# Allegro board LED_FIN.brd (continued)
## Nets (continued)
COL_OUT_A19: D3431.1(CATHODE) D3461.1(CATHODE) D3491.1(CATHODE) D3521.1(CATHODE) D3551.1(CATHODE) D3581.1(CATHODE) D3611.1(CATHODE) D3641.1(CATHODE) D3671.1(CATHODE) D3701.1(CATHODE) D3731.1(CATHODE) D3761.1(CATHODE) D3791.1(CATHODE) D3821.1(CATHODE) D3851.1(CATHODE) D3881.1(CATHODE) D3911.1(CATHODE) D3941.1(CATHODE) D3971.1(CATHODE) D4001.1(CATHODE) D4031.1(CATHODE) D4061.1(CATHODE) D4091.1(CATHODE) D4121.1(CATHODE) D4151.1(CATHODE) D4181.1(CATHODE) D4211.1(CATHODE) D4241.1(CATHODE) D4271.1(CATHODE) D4301.1(CATHODE) D4331.1(CATHODE) D4361.1(CATHODE) D4391.1(CATHODE) D4421.1(CATHODE) D4451.1(CATHODE) D4481.1(CATHODE) D4511.1(CATHODE) D4541.1(CATHODE) R101.1
COL_OUT_A20: D3430.1(CATHODE) D3460.1(CATHODE) D3490.1(CATHODE) D3520.1(CATHODE) D3550.1(CATHODE) D3580.1(CATHODE) D3610.1(CATHODE) D3640.1(CATHODE) D3670.1(CATHODE) D3700.1(CATHODE) D3730.1(CATHODE) D3760.1(CATHODE) D3790.1(CATHODE) D3820.1(CATHODE) D3850.1(CATHODE) D3880.1(CATHODE) D3910.1(CATHODE) D3940.1(CATHODE) D3970.1(CATHODE) D4000.1(CATHODE) D4030.1(CATHODE) D4060.1(CATHODE) D4090.1(CATHODE) D4120.1(CATHODE) D4150.1(CATHODE) D4180.1(CATHODE) D4210.1(CATHODE) D4240.1(CATHODE) D4270.1(CATHODE) D4300.1(CATHODE) D4330.1(CATHODE) D4360.1(CATHODE) D4390.1(CATHODE) D4420.1(CATHODE) D4450.1(CATHODE) D4480.1(CATHODE) D4510.1(CATHODE) D4540.1(CATHODE) R100.1
COL_OUT_A21: D3429.1(CATHODE) D3459.1(CATHODE) D3489.1(CATHODE) D3519.1(CATHODE) D3549.1(CATHODE) D3579.1(CATHODE) D3609.1(CATHODE) D3639.1(CATHODE) D3669.1(CATHODE) D3699.1(CATHODE) D3729.1(CATHODE) D3759.1(CATHODE) D3789.1(CATHODE) D3819.1(CATHODE) D3849.1(CATHODE) D3879.1(CATHODE) D3909.1(CATHODE) D3939.1(CATHODE) D3969.1(CATHODE) D3999.1(CATHODE) D4029.1(CATHODE) D4059.1(CATHODE) D4089.1(CATHODE) D4119.1(CATHODE) D4149.1(CATHODE) D4179.1(CATHODE) D4209.1(CATHODE) D4239.1(CATHODE) D4269.1(CATHODE) D4299.1(CATHODE) D4329.1(CATHODE) D4359.1(CATHODE) D4389.1(CATHODE) D4419.1(CATHODE) D4449.1(CATHODE) D4479.1(CATHODE) D4509.1(CATHODE) D4539.1(CATHODE) R99.1
COL_OUT_A22: D3428.1(CATHODE) D3458.1(CATHODE) D3488.1(CATHODE) D3518.1(CATHODE) D3548.1(CATHODE) D3578.1(CATHODE) D3608.1(CATHODE) D3638.1(CATHODE) D3668.1(CATHODE) D3698.1(CATHODE) D3728.1(CATHODE) D3758.1(CATHODE) D3788.1(CATHODE) D3818.1(CATHODE) D3848.1(CATHODE) D3878.1(CATHODE) D3908.1(CATHODE) D3938.1(CATHODE) D3968.1(CATHODE) D3998.1(CATHODE) D4028.1(CATHODE) D4058.1(CATHODE) D4088.1(CATHODE) D4118.1(CATHODE) D4148.1(CATHODE) D4178.1(CATHODE) D4208.1(CATHODE) D4238.1(CATHODE) D4268.1(CATHODE) D4298.1(CATHODE) D4328.1(CATHODE) D4358.1(CATHODE) D4388.1(CATHODE) D4418.1(CATHODE) D4448.1(CATHODE) D4478.1(CATHODE) D4508.1(CATHODE) D4538.1(CATHODE) R98.1
COL_OUT_A23: D3427.1(CATHODE) D3457.1(CATHODE) D3487.1(CATHODE) D3517.1(CATHODE) D3547.1(CATHODE) D3577.1(CATHODE) D3607.1(CATHODE) D3637.1(CATHODE) D3667.1(CATHODE) D3697.1(CATHODE) D3727.1(CATHODE) D3757.1(CATHODE) D3787.1(CATHODE) D3817.1(CATHODE) D3847.1(CATHODE) D3877.1(CATHODE) D3907.1(CATHODE) D3937.1(CATHODE) D3967.1(CATHODE) D3997.1(CATHODE) D4027.1(CATHODE) D4057.1(CATHODE) D4087.1(CATHODE) D4117.1(CATHODE) D4147.1(CATHODE) D4177.1(CATHODE) D4207.1(CATHODE) D4237.1(CATHODE) D4267.1(CATHODE) D4297.1(CATHODE) D4327.1(CATHODE) D4357.1(CATHODE) D4387.1(CATHODE) D4417.1(CATHODE) D4447.1(CATHODE) D4477.1(CATHODE) D4507.1(CATHODE) D4537.1(CATHODE) R97.1
COL_OUT_A24: D3426.1(CATHODE) D3456.1(CATHODE) D3486.1(CATHODE) D3516.1(CATHODE) D3546.1(CATHODE) D3576.1(CATHODE) D3606.1(CATHODE) D3636.1(CATHODE) D3666.1(CATHODE) D3696.1(CATHODE) D3726.1(CATHODE) D3756.1(CATHODE) D3786.1(CATHODE) D3816.1(CATHODE) D3846.1(CATHODE) D3876.1(CATHODE) D3906.1(CATHODE) D3936.1(CATHODE) D3966.1(CATHODE) D3996.1(CATHODE) D4026.1(CATHODE) D4056.1(CATHODE) D4086.1(CATHODE) D4116.1(CATHODE) D4146.1(CATHODE) D4176.1(CATHODE) D4206.1(CATHODE) D4236.1(CATHODE) D4266.1(CATHODE) D4296.1(CATHODE) D4326.1(CATHODE) D4356.1(CATHODE) D4386.1(CATHODE) D4416.1(CATHODE) D4446.1(CATHODE) D4476.1(CATHODE) D4506.1(CATHODE) D4536.1(CATHODE) R96.1
COL_OUT_A25: D3425.1(CATHODE) D3455.1(CATHODE) D3485.1(CATHODE) D3515.1(CATHODE) D3545.1(CATHODE) D3575.1(CATHODE) D3605.1(CATHODE) D3635.1(CATHODE) D3665.1(CATHODE) D3695.1(CATHODE) D3725.1(CATHODE) D3755.1(CATHODE) D3785.1(CATHODE) D3815.1(CATHODE) D3845.1(CATHODE) D3875.1(CATHODE) D3905.1(CATHODE) D3935.1(CATHODE) D3965.1(CATHODE) D3995.1(CATHODE) D4025.1(CATHODE) D4055.1(CATHODE) D4085.1(CATHODE) D4115.1(CATHODE) D4145.1(CATHODE) D4175.1(CATHODE) D4205.1(CATHODE) D4235.1(CATHODE) D4265.1(CATHODE) D4295.1(CATHODE) D4325.1(CATHODE) D4355.1(CATHODE) D4385.1(CATHODE) D4415.1(CATHODE) D4445.1(CATHODE) D4475.1(CATHODE) D4505.1(CATHODE) D4535.1(CATHODE) R95.1
COL_OUT_A26: D3424.1(CATHODE) D3454.1(CATHODE) D3484.1(CATHODE) D3514.1(CATHODE) D3544.1(CATHODE) D3574.1(CATHODE) D3604.1(CATHODE) D3634.1(CATHODE) D3664.1(CATHODE) D3694.1(CATHODE) D3724.1(CATHODE) D3754.1(CATHODE) D3784.1(CATHODE) D3814.1(CATHODE) D3844.1(CATHODE) D3874.1(CATHODE) D3904.1(CATHODE) D3934.1(CATHODE) D3964.1(CATHODE) D3994.1(CATHODE) D4024.1(CATHODE) D4054.1(CATHODE) D4084.1(CATHODE) D4114.1(CATHODE) D4144.1(CATHODE) D4174.1(CATHODE) D4204.1(CATHODE) D4234.1(CATHODE) D4264.1(CATHODE) D4294.1(CATHODE) D4324.1(CATHODE) D4354.1(CATHODE) D4384.1(CATHODE) D4414.1(CATHODE) D4444.1(CATHODE) D4474.1(CATHODE) D4504.1(CATHODE) D4534.1(CATHODE) R94.1
COL_OUT_A27: D3423.1(CATHODE) D3453.1(CATHODE) D3483.1(CATHODE) D3513.1(CATHODE) D3543.1(CATHODE) D3573.1(CATHODE) D3603.1(CATHODE) D3633.1(CATHODE) D3663.1(CATHODE) D3693.1(CATHODE) D3723.1(CATHODE) D3753.1(CATHODE) D3783.1(CATHODE) D3813.1(CATHODE) D3843.1(CATHODE) D3873.1(CATHODE) D3903.1(CATHODE) D3933.1(CATHODE) D3963.1(CATHODE) D3993.1(CATHODE) D4023.1(CATHODE) D4053.1(CATHODE) D4083.1(CATHODE) D4113.1(CATHODE) D4143.1(CATHODE) D4173.1(CATHODE) D4203.1(CATHODE) D4233.1(CATHODE) D4263.1(CATHODE) D4293.1(CATHODE) D4323.1(CATHODE) D4353.1(CATHODE) D4383.1(CATHODE) D4413.1(CATHODE) D4443.1(CATHODE) D4473.1(CATHODE) D4503.1(CATHODE) D4533.1(CATHODE) R93.1
COL_OUT_A28: D3422.1(CATHODE) D3452.1(CATHODE) D3482.1(CATHODE) D3512.1(CATHODE) D3542.1(CATHODE) D3572.1(CATHODE) D3602.1(CATHODE) D3632.1(CATHODE) D3662.1(CATHODE) D3692.1(CATHODE) D3722.1(CATHODE) D3752.1(CATHODE) D3782.1(CATHODE) D3812.1(CATHODE) D3842.1(CATHODE) D3872.1(CATHODE) D3902.1(CATHODE) D3932.1(CATHODE) D3962.1(CATHODE) D3992.1(CATHODE) D4022.1(CATHODE) D4052.1(CATHODE) D4082.1(CATHODE) D4112.1(CATHODE) D4142.1(CATHODE) D4172.1(CATHODE) D4202.1(CATHODE) D4232.1(CATHODE) D4262.1(CATHODE) D4292.1(CATHODE) D4322.1(CATHODE) D4352.1(CATHODE) D4382.1(CATHODE) D4412.1(CATHODE) D4442.1(CATHODE) D4472.1(CATHODE) D4502.1(CATHODE) D4532.1(CATHODE) R92.1
COL_OUT_A29: D3421.1(CATHODE) D3451.1(CATHODE) D3481.1(CATHODE) D3511.1(CATHODE) D3541.1(CATHODE) D3571.1(CATHODE) D3601.1(CATHODE) D3631.1(CATHODE) D3661.1(CATHODE) D3691.1(CATHODE) D3721.1(CATHODE) D3751.1(CATHODE) D3781.1(CATHODE) D3811.1(CATHODE) D3841.1(CATHODE) D3871.1(CATHODE) D3901.1(CATHODE) D3931.1(CATHODE) D3961.1(CATHODE) D3991.1(CATHODE) D4021.1(CATHODE) D4051.1(CATHODE) D4081.1(CATHODE) D4111.1(CATHODE) D4141.1(CATHODE) D4171.1(CATHODE) D4201.1(CATHODE) D4231.1(CATHODE) D4261.1(CATHODE) D4291.1(CATHODE) D4321.1(CATHODE) D4351.1(CATHODE) D4381.1(CATHODE) D4411.1(CATHODE) D4441.1(CATHODE) D4471.1(CATHODE) D4501.1(CATHODE) D4531.1(CATHODE) R91.1
COL_OUT_A30: D2310.1(CATHODE) D2340.1(CATHODE) D2370.1(CATHODE) D2400.1(CATHODE) D2430.1(CATHODE) D2460.1(CATHODE) D2490.1(CATHODE) D2520.1(CATHODE) D2550.1(CATHODE) D2580.1(CATHODE) D2610.1(CATHODE) D2640.1(CATHODE) D2670.1(CATHODE) D2700.1(CATHODE) D2730.1(CATHODE) D2760.1(CATHODE) D2790.1(CATHODE) D2820.1(CATHODE) D2850.1(CATHODE) D2880.1(CATHODE) D2910.1(CATHODE) D2940.1(CATHODE) D2970.1(CATHODE) D3000.1(CATHODE) D3030.1(CATHODE) D3060.1(CATHODE) D3090.1(CATHODE) D3120.1(CATHODE) D3150.1(CATHODE) D3180.1(CATHODE) D3210.1(CATHODE) D3240.1(CATHODE) D3270.1(CATHODE) D3300.1(CATHODE) D3330.1(CATHODE) D3360.1(CATHODE) D3390.1(CATHODE) D3420.1(CATHODE) R90.1
COL_OUT_A31: D2309.1(CATHODE) D2339.1(CATHODE) D2369.1(CATHODE) D2399.1(CATHODE) D2429.1(CATHODE) D2459.1(CATHODE) D2489.1(CATHODE) D2519.1(CATHODE) D2549.1(CATHODE) D2579.1(CATHODE) D2609.1(CATHODE) D2639.1(CATHODE) D2669.1(CATHODE) D2699.1(CATHODE) D2729.1(CATHODE) D2759.1(CATHODE) D2789.1(CATHODE) D2819.1(CATHODE) D2849.1(CATHODE) D2879.1(CATHODE) D2909.1(CATHODE) D2939.1(CATHODE) D2969.1(CATHODE) D2999.1(CATHODE) D3029.1(CATHODE) D3059.1(CATHODE) D3089.1(CATHODE) D3119.1(CATHODE) D3149.1(CATHODE) D3179.1(CATHODE) D3209.1(CATHODE) D3239.1(CATHODE) D3269.1(CATHODE) D3299.1(CATHODE) D3329.1(CATHODE) D3359.1(CATHODE) D3389.1(CATHODE) D3419.1(CATHODE) R89.1
COL_OUT_A32: D2308.1(CATHODE) D2338.1(CATHODE) D2368.1(CATHODE) D2398.1(CATHODE) D2428.1(CATHODE) D2458.1(CATHODE) D2488.1(CATHODE) D2518.1(CATHODE) D2548.1(CATHODE) D2578.1(CATHODE) D2608.1(CATHODE) D2638.1(CATHODE) D2668.1(CATHODE) D2698.1(CATHODE) D2728.1(CATHODE) D2758.1(CATHODE) D2788.1(CATHODE) D2818.1(CATHODE) D2848.1(CATHODE) D2878.1(CATHODE) D2908.1(CATHODE) D2938.1(CATHODE) D2968.1(CATHODE) D2998.1(CATHODE) D3028.1(CATHODE) D3058.1(CATHODE) D3088.1(CATHODE) D3118.1(CATHODE) D3148.1(CATHODE) D3178.1(CATHODE) D3208.1(CATHODE) D3238.1(CATHODE) D3268.1(CATHODE) D3298.1(CATHODE) D3328.1(CATHODE) D3358.1(CATHODE) D3388.1(CATHODE) D3418.1(CATHODE) R88.1
COL_OUT_A33: D2307.1(CATHODE) D2337.1(CATHODE) D2367.1(CATHODE) D2397.1(CATHODE) D2427.1(CATHODE) D2457.1(CATHODE) D2487.1(CATHODE) D2517.1(CATHODE) D2547.1(CATHODE) D2577.1(CATHODE) D2607.1(CATHODE) D2637.1(CATHODE) D2667.1(CATHODE) D2697.1(CATHODE) D2727.1(CATHODE) D2757.1(CATHODE) D2787.1(CATHODE) D2817.1(CATHODE) D2847.1(CATHODE) D2877.1(CATHODE) D2907.1(CATHODE) D2937.1(CATHODE) D2967.1(CATHODE) D2997.1(CATHODE) D3027.1(CATHODE) D3057.1(CATHODE) D3087.1(CATHODE) D3117.1(CATHODE) D3147.1(CATHODE) D3177.1(CATHODE) D3207.1(CATHODE) D3237.1(CATHODE) D3267.1(CATHODE) D3297.1(CATHODE) D3327.1(CATHODE) D3357.1(CATHODE) D3387.1(CATHODE) D3417.1(CATHODE) R87.1
COL_OUT_A34: D2306.1(CATHODE) D2336.1(CATHODE) D2366.1(CATHODE) D2396.1(CATHODE) D2426.1(CATHODE) D2456.1(CATHODE) D2486.1(CATHODE) D2516.1(CATHODE) D2546.1(CATHODE) D2576.1(CATHODE) D2606.1(CATHODE) D2636.1(CATHODE) D2666.1(CATHODE) D2696.1(CATHODE) D2726.1(CATHODE) D2756.1(CATHODE) D2786.1(CATHODE) D2816.1(CATHODE) D2846.1(CATHODE) D2876.1(CATHODE) D2906.1(CATHODE) D2936.1(CATHODE) D2966.1(CATHODE) D2996.1(CATHODE) D3026.1(CATHODE) D3056.1(CATHODE) D3086.1(CATHODE) D3116.1(CATHODE) D3146.1(CATHODE) D3176.1(CATHODE) D3206.1(CATHODE) D3236.1(CATHODE) D3266.1(CATHODE) D3296.1(CATHODE) D3326.1(CATHODE) D3356.1(CATHODE) D3386.1(CATHODE) D3416.1(CATHODE) R86.1
COL_OUT_A35: D2305.1(CATHODE) D2335.1(CATHODE) D2365.1(CATHODE) D2395.1(CATHODE) D2425.1(CATHODE) D2455.1(CATHODE) D2485.1(CATHODE) D2515.1(CATHODE) D2545.1(CATHODE) D2575.1(CATHODE) D2605.1(CATHODE) D2635.1(CATHODE) D2665.1(CATHODE) D2695.1(CATHODE) D2725.1(CATHODE) D2755.1(CATHODE) D2785.1(CATHODE) D2815.1(CATHODE) D2845.1(CATHODE) D2875.1(CATHODE) D2905.1(CATHODE) D2935.1(CATHODE) D2965.1(CATHODE) D2995.1(CATHODE) D3025.1(CATHODE) D3055.1(CATHODE) D3085.1(CATHODE) D3115.1(CATHODE) D3145.1(CATHODE) D3175.1(CATHODE) D3205.1(CATHODE) D3235.1(CATHODE) D3265.1(CATHODE) D3295.1(CATHODE) D3325.1(CATHODE) D3355.1(CATHODE) D3385.1(CATHODE) D3415.1(CATHODE) R85.1
COL_OUT_A36: D2304.1(CATHODE) D2334.1(CATHODE) D2364.1(CATHODE) D2394.1(CATHODE) D2424.1(CATHODE) D2454.1(CATHODE) D2484.1(CATHODE) D2514.1(CATHODE) D2544.1(CATHODE) D2574.1(CATHODE) D2604.1(CATHODE) D2634.1(CATHODE) D2664.1(CATHODE) D2694.1(CATHODE) D2724.1(CATHODE) D2754.1(CATHODE) D2784.1(CATHODE) D2814.1(CATHODE) D2844.1(CATHODE) D2874.1(CATHODE) D2904.1(CATHODE) D2934.1(CATHODE) D2964.1(CATHODE) D2994.1(CATHODE) D3024.1(CATHODE) D3054.1(CATHODE) D3084.1(CATHODE) D3114.1(CATHODE) D3144.1(CATHODE) D3174.1(CATHODE) D3204.1(CATHODE) D3234.1(CATHODE) D3264.1(CATHODE) D3294.1(CATHODE) D3324.1(CATHODE) D3354.1(CATHODE) D3384.1(CATHODE) D3414.1(CATHODE) R84.1
COL_OUT_A37: D2303.1(CATHODE) D2333.1(CATHODE) D2363.1(CATHODE) D2393.1(CATHODE) D2423.1(CATHODE) D2453.1(CATHODE) D2483.1(CATHODE) D2513.1(CATHODE) D2543.1(CATHODE) D2573.1(CATHODE) D2603.1(CATHODE) D2633.1(CATHODE) D2663.1(CATHODE) D2693.1(CATHODE) D2723.1(CATHODE) D2753.1(CATHODE) D2783.1(CATHODE) D2813.1(CATHODE) D2843.1(CATHODE) D2873.1(CATHODE) D2903.1(CATHODE) D2933.1(CATHODE) D2963.1(CATHODE) D2993.1(CATHODE) D3023.1(CATHODE) D3053.1(CATHODE) D3083.1(CATHODE) D3113.1(CATHODE) D3143.1(CATHODE) D3173.1(CATHODE) D3203.1(CATHODE) D3233.1(CATHODE) D3263.1(CATHODE) D3293.1(CATHODE) D3323.1(CATHODE) D3353.1(CATHODE) D3383.1(CATHODE) D3413.1(CATHODE) R83.1
COL_OUT_A38: D2302.1(CATHODE) D2332.1(CATHODE) D2362.1(CATHODE) D2392.1(CATHODE) D2422.1(CATHODE) D2452.1(CATHODE) D2482.1(CATHODE) D2512.1(CATHODE) D2542.1(CATHODE) D2572.1(CATHODE) D2602.1(CATHODE) D2632.1(CATHODE) D2662.1(CATHODE) D2692.1(CATHODE) D2722.1(CATHODE) D2752.1(CATHODE) D2782.1(CATHODE) D2812.1(CATHODE) D2842.1(CATHODE) D2872.1(CATHODE) D2902.1(CATHODE) D2932.1(CATHODE) D2962.1(CATHODE) D2992.1(CATHODE) D3022.1(CATHODE) D3052.1(CATHODE) D3082.1(CATHODE) D3112.1(CATHODE) D3142.1(CATHODE) D3172.1(CATHODE) D3202.1(CATHODE) D3232.1(CATHODE) D3262.1(CATHODE) D3292.1(CATHODE) D3322.1(CATHODE) D3352.1(CATHODE) D3382.1(CATHODE) D3412.1(CATHODE) R82.1
COL_OUT_A39: D2301.1(CATHODE) D2331.1(CATHODE) D2361.1(CATHODE) D2391.1(CATHODE) D2421.1(CATHODE) D2451.1(CATHODE) D2481.1(CATHODE) D2511.1(CATHODE) D2541.1(CATHODE) D2571.1(CATHODE) D2601.1(CATHODE) D2631.1(CATHODE) D2661.1(CATHODE) D2691.1(CATHODE) D2721.1(CATHODE) D2751.1(CATHODE) D2781.1(CATHODE) D2811.1(CATHODE) D2841.1(CATHODE) D2871.1(CATHODE) D2901.1(CATHODE) D2931.1(CATHODE) D2961.1(CATHODE) D2991.1(CATHODE) D3021.1(CATHODE) D3051.1(CATHODE) D3081.1(CATHODE) D3111.1(CATHODE) D3141.1(CATHODE) D3171.1(CATHODE) D3201.1(CATHODE) D3231.1(CATHODE) D3261.1(CATHODE) D3291.1(CATHODE) D3321.1(CATHODE) D3351.1(CATHODE) D3381.1(CATHODE) D3411.1(CATHODE) R81.1
COL_OUT_A40: D2300.1(CATHODE) D2330.1(CATHODE) D2360.1(CATHODE) D2390.1(CATHODE) D2420.1(CATHODE) D2450.1(CATHODE) D2480.1(CATHODE) D2510.1(CATHODE) D2540.1(CATHODE) D2570.1(CATHODE) D2600.1(CATHODE) D2630.1(CATHODE) D2660.1(CATHODE) D2690.1(CATHODE) D2720.1(CATHODE) D2750.1(CATHODE) D2780.1(CATHODE) D2810.1(CATHODE) D2840.1(CATHODE) D2870.1(CATHODE) D2900.1(CATHODE) D2930.1(CATHODE) D2960.1(CATHODE) D2990.1(CATHODE) D3020.1(CATHODE) D3050.1(CATHODE) D3080.1(CATHODE) D3110.1(CATHODE) D3140.1(CATHODE) D3170.1(CATHODE) D3200.1(CATHODE) D3230.1(CATHODE) D3260.1(CATHODE) D3290.1(CATHODE) D3320.1(CATHODE) D3350.1(CATHODE) D3380.1(CATHODE) D3410.1(CATHODE) R80.1
COL_OUT_A41: D2299.1(CATHODE) D2329.1(CATHODE) D2359.1(CATHODE) D2389.1(CATHODE) D2419.1(CATHODE) D2449.1(CATHODE) D2479.1(CATHODE) D2509.1(CATHODE) D2539.1(CATHODE) D2569.1(CATHODE) D2599.1(CATHODE) D2629.1(CATHODE) D2659.1(CATHODE) D2689.1(CATHODE) D2719.1(CATHODE) D2749.1(CATHODE) D2779.1(CATHODE) D2809.1(CATHODE) D2839.1(CATHODE) D2869.1(CATHODE) D2899.1(CATHODE) D2929.1(CATHODE) D2959.1(CATHODE) D2989.1(CATHODE) D3019.1(CATHODE) D3049.1(CATHODE) D3079.1(CATHODE) D3109.1(CATHODE) D3139.1(CATHODE) D3169.1(CATHODE) D3199.1(CATHODE) D3229.1(CATHODE) D3259.1(CATHODE) D3289.1(CATHODE) D3319.1(CATHODE) D3349.1(CATHODE) D3379.1(CATHODE) D3409.1(CATHODE) R79.1
COL_OUT_A42: D2298.1(CATHODE) D2328.1(CATHODE) D2358.1(CATHODE) D2388.1(CATHODE) D2418.1(CATHODE) D2448.1(CATHODE) D2478.1(CATHODE) D2508.1(CATHODE) D2538.1(CATHODE) D2568.1(CATHODE) D2598.1(CATHODE) D2628.1(CATHODE) D2658.1(CATHODE) D2688.1(CATHODE) D2718.1(CATHODE) D2748.1(CATHODE) D2778.1(CATHODE) D2808.1(CATHODE) D2838.1(CATHODE) D2868.1(CATHODE) D2898.1(CATHODE) D2928.1(CATHODE) D2958.1(CATHODE) D2988.1(CATHODE) D3018.1(CATHODE) D3048.1(CATHODE) D3078.1(CATHODE) D3108.1(CATHODE) D3138.1(CATHODE) D3168.1(CATHODE) D3198.1(CATHODE) D3228.1(CATHODE) D3258.1(CATHODE) D3288.1(CATHODE) D3318.1(CATHODE) D3348.1(CATHODE) D3378.1(CATHODE) D3408.1(CATHODE) R78.1
COL_OUT_A43: D2297.1(CATHODE) D2327.1(CATHODE) D2357.1(CATHODE) D2387.1(CATHODE) D2417.1(CATHODE) D2447.1(CATHODE) D2477.1(CATHODE) D2507.1(CATHODE) D2537.1(CATHODE) D2567.1(CATHODE) D2597.1(CATHODE) D2627.1(CATHODE) D2657.1(CATHODE) D2687.1(CATHODE) D2717.1(CATHODE) D2747.1(CATHODE) D2777.1(CATHODE) D2807.1(CATHODE) D2837.1(CATHODE) D2867.1(CATHODE) D2897.1(CATHODE) D2927.1(CATHODE) D2957.1(CATHODE) D2987.1(CATHODE) D3017.1(CATHODE) D3047.1(CATHODE) D3077.1(CATHODE) D3107.1(CATHODE) D3137.1(CATHODE) D3167.1(CATHODE) D3197.1(CATHODE) D3227.1(CATHODE) D3257.1(CATHODE) D3287.1(CATHODE) D3317.1(CATHODE) D3347.1(CATHODE) D3377.1(CATHODE) D3407.1(CATHODE) R77.1
COL_OUT_A44: D2296.1(CATHODE) D2326.1(CATHODE) D2356.1(CATHODE) D2386.1(CATHODE) D2416.1(CATHODE) D2446.1(CATHODE) D2476.1(CATHODE) D2506.1(CATHODE) D2536.1(CATHODE) D2566.1(CATHODE) D2596.1(CATHODE) D2626.1(CATHODE) D2656.1(CATHODE) D2686.1(CATHODE) D2716.1(CATHODE) D2746.1(CATHODE) D2776.1(CATHODE) D2806.1(CATHODE) D2836.1(CATHODE) D2866.1(CATHODE) D2896.1(CATHODE) D2926.1(CATHODE) D2956.1(CATHODE) D2986.1(CATHODE) D3016.1(CATHODE) D3046.1(CATHODE) D3076.1(CATHODE) D3106.1(CATHODE) D3136.1(CATHODE) D3166.1(CATHODE) D3196.1(CATHODE) D3226.1(CATHODE) D3256.1(CATHODE) D3286.1(CATHODE) D3316.1(CATHODE) D3346.1(CATHODE) D3376.1(CATHODE) D3406.1(CATHODE) R76.1
COL_OUT_A45: D2295.1(CATHODE) D2325.1(CATHODE) D2355.1(CATHODE) D2385.1(CATHODE) D2415.1(CATHODE) D2445.1(CATHODE) D2475.1(CATHODE) D2505.1(CATHODE) D2535.1(CATHODE) D2565.1(CATHODE) D2595.1(CATHODE) D2625.1(CATHODE) D2655.1(CATHODE) D2685.1(CATHODE) D2715.1(CATHODE) D2745.1(CATHODE) D2775.1(CATHODE) D2805.1(CATHODE) D2835.1(CATHODE) D2865.1(CATHODE) D2895.1(CATHODE) D2925.1(CATHODE) D2955.1(CATHODE) D2985.1(CATHODE) D3015.1(CATHODE) D3045.1(CATHODE) D3075.1(CATHODE) D3105.1(CATHODE) D3135.1(CATHODE) D3165.1(CATHODE) D3195.1(CATHODE) D3225.1(CATHODE) D3255.1(CATHODE) D3285.1(CATHODE) D3315.1(CATHODE) D3345.1(CATHODE) D3375.1(CATHODE) D3405.1(CATHODE) R75.1
COL_OUT_A46: D2294.1(CATHODE) D2324.1(CATHODE) D2354.1(CATHODE) D2384.1(CATHODE) D2414.1(CATHODE) D2444.1(CATHODE) D2474.1(CATHODE) D2504.1(CATHODE) D2534.1(CATHODE) D2564.1(CATHODE) D2594.1(CATHODE) D2624.1(CATHODE) D2654.1(CATHODE) D2684.1(CATHODE) D2714.1(CATHODE) D2744.1(CATHODE) D2774.1(CATHODE) D2804.1(CATHODE) D2834.1(CATHODE) D2864.1(CATHODE) D2894.1(CATHODE) D2924.1(CATHODE) D2954.1(CATHODE) D2984.1(CATHODE) D3014.1(CATHODE) D3044.1(CATHODE) D3074.1(CATHODE) D3104.1(CATHODE) D3134.1(CATHODE) D3164.1(CATHODE) D3194.1(CATHODE) D3224.1(CATHODE) D3254.1(CATHODE) D3284.1(CATHODE) D3314.1(CATHODE) D3344.1(CATHODE) D3374.1(CATHODE) D3404.1(CATHODE) R74.1
COL_OUT_A47: D2293.1(CATHODE) D2323.1(CATHODE) D2353.1(CATHODE) D2383.1(CATHODE) D2413.1(CATHODE) D2443.1(CATHODE) D2473.1(CATHODE) D2503.1(CATHODE) D2533.1(CATHODE) D2563.1(CATHODE) D2593.1(CATHODE) D2623.1(CATHODE) D2653.1(CATHODE) D2683.1(CATHODE) D2713.1(CATHODE) D2743.1(CATHODE) D2773.1(CATHODE) D2803.1(CATHODE) D2833.1(CATHODE) D2863.1(CATHODE) D2893.1(CATHODE) D2923.1(CATHODE) D2953.1(CATHODE) D2983.1(CATHODE) D3013.1(CATHODE) D3043.1(CATHODE) D3073.1(CATHODE) D3103.1(CATHODE) D3133.1(CATHODE) D3163.1(CATHODE) D3193.1(CATHODE) D3223.1(CATHODE) D3253.1(CATHODE) D3283.1(CATHODE) D3313.1(CATHODE) D3343.1(CATHODE) D3373.1(CATHODE) D3403.1(CATHODE) R73.1
COL_OUT_A48: D2292.1(CATHODE) D2322.1(CATHODE) D2352.1(CATHODE) D2382.1(CATHODE) D2412.1(CATHODE) D2442.1(CATHODE) D2472.1(CATHODE) D2502.1(CATHODE) D2532.1(CATHODE) D2562.1(CATHODE) D2592.1(CATHODE) D2622.1(CATHODE) D2652.1(CATHODE) D2682.1(CATHODE) D2712.1(CATHODE) D2742.1(CATHODE) D2772.1(CATHODE) D2802.1(CATHODE) D2832.1(CATHODE) D2862.1(CATHODE) D2892.1(CATHODE) D2922.1(CATHODE) D2952.1(CATHODE) D2982.1(CATHODE) D3012.1(CATHODE) D3042.1(CATHODE) D3072.1(CATHODE) D3102.1(CATHODE) D3132.1(CATHODE) D3162.1(CATHODE) D3192.1(CATHODE) D3222.1(CATHODE) D3252.1(CATHODE) D3282.1(CATHODE) D3312.1(CATHODE) D3342.1(CATHODE) D3372.1(CATHODE) D3402.1(CATHODE) R72.1
COL_OUT_A49: D2291.1(CATHODE) D2321.1(CATHODE) D2351.1(CATHODE) D2381.1(CATHODE) D2411.1(CATHODE) D2441.1(CATHODE) D2471.1(CATHODE) D2501.1(CATHODE) D2531.1(CATHODE) D2561.1(CATHODE) D2591.1(CATHODE) D2621.1(CATHODE) D2651.1(CATHODE) D2681.1(CATHODE) D2711.1(CATHODE) D2741.1(CATHODE) D2771.1(CATHODE) D2801.1(CATHODE) D2831.1(CATHODE) D2861.1(CATHODE) D2891.1(CATHODE) D2921.1(CATHODE) D2951.1(CATHODE) D2981.1(CATHODE) D3011.1(CATHODE) D3041.1(CATHODE) D3071.1(CATHODE) D3101.1(CATHODE) D3131.1(CATHODE) D3161.1(CATHODE) D3191.1(CATHODE) D3221.1(CATHODE) D3251.1(CATHODE) D3281.1(CATHODE) D3311.1(CATHODE) D3341.1(CATHODE) D3371.1(CATHODE) D3401.1(CATHODE) R71.1
COL_OUT_A50: D2290.1(CATHODE) D2320.1(CATHODE) D2350.1(CATHODE) D2380.1(CATHODE) D2410.1(CATHODE) D2440.1(CATHODE) D2470.1(CATHODE) D2500.1(CATHODE) D2530.1(CATHODE) D2560.1(CATHODE) D2590.1(CATHODE) D2620.1(CATHODE) D2650.1(CATHODE) D2680.1(CATHODE) D2710.1(CATHODE) D2740.1(CATHODE) D2770.1(CATHODE) D2800.1(CATHODE) D2830.1(CATHODE) D2860.1(CATHODE) D2890.1(CATHODE) D2920.1(CATHODE) D2950.1(CATHODE) D2980.1(CATHODE) D3010.1(CATHODE) D3040.1(CATHODE) D3070.1(CATHODE) D3100.1(CATHODE) D3130.1(CATHODE) D3160.1(CATHODE) D3190.1(CATHODE) D3220.1(CATHODE) D3250.1(CATHODE) D3280.1(CATHODE) D3310.1(CATHODE) D3340.1(CATHODE) D3370.1(CATHODE) D3400.1(CATHODE) R70.1
COL_OUT_A51: D2289.1(CATHODE) D2319.1(CATHODE) D2349.1(CATHODE) D2379.1(CATHODE) D2409.1(CATHODE) D2439.1(CATHODE) D2469.1(CATHODE) D2499.1(CATHODE) D2529.1(CATHODE) D2559.1(CATHODE) D2589.1(CATHODE) D2619.1(CATHODE) D2649.1(CATHODE) D2679.1(CATHODE) D2709.1(CATHODE) D2739.1(CATHODE) D2769.1(CATHODE) D2799.1(CATHODE) D2829.1(CATHODE) D2859.1(CATHODE) D2889.1(CATHODE) D2919.1(CATHODE) D2949.1(CATHODE) D2979.1(CATHODE) D3009.1(CATHODE) D3039.1(CATHODE) D3069.1(CATHODE) D3099.1(CATHODE) D3129.1(CATHODE) D3159.1(CATHODE) D3189.1(CATHODE) D3219.1(CATHODE) D3249.1(CATHODE) D3279.1(CATHODE) D3309.1(CATHODE) D3339.1(CATHODE) D3369.1(CATHODE) D3399.1(CATHODE) R69.1
COL_OUT_A52: D2288.1(CATHODE) D2318.1(CATHODE) D2348.1(CATHODE) D2378.1(CATHODE) D2408.1(CATHODE) D2438.1(CATHODE) D2468.1(CATHODE) D2498.1(CATHODE) D2528.1(CATHODE) D2558.1(CATHODE) D2588.1(CATHODE) D2618.1(CATHODE) D2648.1(CATHODE) D2678.1(CATHODE) D2708.1(CATHODE) D2738.1(CATHODE) D2768.1(CATHODE) D2798.1(CATHODE) D2828.1(CATHODE) D2858.1(CATHODE) D2888.1(CATHODE) D2918.1(CATHODE) D2948.1(CATHODE) D2978.1(CATHODE) D3008.1(CATHODE) D3038.1(CATHODE) D3068.1(CATHODE) D3098.1(CATHODE) D3128.1(CATHODE) D3158.1(CATHODE) D3188.1(CATHODE) D3218.1(CATHODE) D3248.1(CATHODE) D3278.1(CATHODE) D3308.1(CATHODE) D3338.1(CATHODE) D3368.1(CATHODE) D3398.1(CATHODE) R68.1
COL_OUT_A53: D2287.1(CATHODE) D2317.1(CATHODE) D2347.1(CATHODE) D2377.1(CATHODE) D2407.1(CATHODE) D2437.1(CATHODE) D2467.1(CATHODE) D2497.1(CATHODE) D2527.1(CATHODE) D2557.1(CATHODE) D2587.1(CATHODE) D2617.1(CATHODE) D2647.1(CATHODE) D2677.1(CATHODE) D2707.1(CATHODE) D2737.1(CATHODE) D2767.1(CATHODE) D2797.1(CATHODE) D2827.1(CATHODE) D2857.1(CATHODE) D2887.1(CATHODE) D2917.1(CATHODE) D2947.1(CATHODE) D2977.1(CATHODE) D3007.1(CATHODE) D3037.1(CATHODE) D3067.1(CATHODE) D3097.1(CATHODE) D3127.1(CATHODE) D3157.1(CATHODE) D3187.1(CATHODE) D3217.1(CATHODE) D3247.1(CATHODE) D3277.1(CATHODE) D3307.1(CATHODE) D3337.1(CATHODE) D3367.1(CATHODE) D3397.1(CATHODE) R67.1
COL_OUT_A54: D2286.1(CATHODE) D2316.1(CATHODE) D2346.1(CATHODE) D2376.1(CATHODE) D2406.1(CATHODE) D2436.1(CATHODE) D2466.1(CATHODE) D2496.1(CATHODE) D2526.1(CATHODE) D2556.1(CATHODE) D2586.1(CATHODE) D2616.1(CATHODE) D2646.1(CATHODE) D2676.1(CATHODE) D2706.1(CATHODE) D2736.1(CATHODE) D2766.1(CATHODE) D2796.1(CATHODE) D2826.1(CATHODE) D2856.1(CATHODE) D2886.1(CATHODE) D2916.1(CATHODE) D2946.1(CATHODE) D2976.1(CATHODE) D3006.1(CATHODE) D3036.1(CATHODE) D3066.1(CATHODE) D3096.1(CATHODE) D3126.1(CATHODE) D3156.1(CATHODE) D3186.1(CATHODE) D3216.1(CATHODE) D3246.1(CATHODE) D3276.1(CATHODE) D3306.1(CATHODE) D3336.1(CATHODE) D3366.1(CATHODE) D3396.1(CATHODE) R66.1
COL_OUT_A55: D2285.1(CATHODE) D2315.1(CATHODE) D2345.1(CATHODE) D2375.1(CATHODE) D2405.1(CATHODE) D2435.1(CATHODE) D2465.1(CATHODE) D2495.1(CATHODE) D2525.1(CATHODE) D2555.1(CATHODE) D2585.1(CATHODE) D2615.1(CATHODE) D2645.1(CATHODE) D2675.1(CATHODE) D2705.1(CATHODE) D2735.1(CATHODE) D2765.1(CATHODE) D2795.1(CATHODE) D2825.1(CATHODE) D2855.1(CATHODE) D2885.1(CATHODE) D2915.1(CATHODE) D2945.1(CATHODE) D2975.1(CATHODE) D3005.1(CATHODE) D3035.1(CATHODE) D3065.1(CATHODE) D3095.1(CATHODE) D3125.1(CATHODE) D3155.1(CATHODE) D3185.1(CATHODE) D3215.1(CATHODE) D3245.1(CATHODE) D3275.1(CATHODE) D3305.1(CATHODE) D3335.1(CATHODE) D3365.1(CATHODE) D3395.1(CATHODE) R65.1
COL_OUT_A56: D2284.1(CATHODE) D2314.1(CATHODE) D2344.1(CATHODE) D2374.1(CATHODE) D2404.1(CATHODE) D2434.1(CATHODE) D2464.1(CATHODE) D2494.1(CATHODE) D2524.1(CATHODE) D2554.1(CATHODE) D2584.1(CATHODE) D2614.1(CATHODE) D2644.1(CATHODE) D2674.1(CATHODE) D2704.1(CATHODE) D2734.1(CATHODE) D2764.1(CATHODE) D2794.1(CATHODE) D2824.1(CATHODE) D2854.1(CATHODE) D2884.1(CATHODE) D2914.1(CATHODE) D2944.1(CATHODE) D2974.1(CATHODE) D3004.1(CATHODE) D3034.1(CATHODE) D3064.1(CATHODE) D3094.1(CATHODE) D3124.1(CATHODE) D3154.1(CATHODE) D3184.1(CATHODE) D3214.1(CATHODE) D3244.1(CATHODE) D3274.1(CATHODE) D3304.1(CATHODE) D3334.1(CATHODE) D3364.1(CATHODE) D3394.1(CATHODE) R64.1